# Altium PCB AGC电路.PcbDoc
Units mil, origin at the board's own origin, x right, y up, seen from the top; angles counter-clockwise.
Board outline 1016 x 1085 mil, 2 copper layers (Top Layer, Bottom Layer); 16 components, 12 nets, 42 pads, 0 vias.
Unrouted connection lines stored in the file: 8.
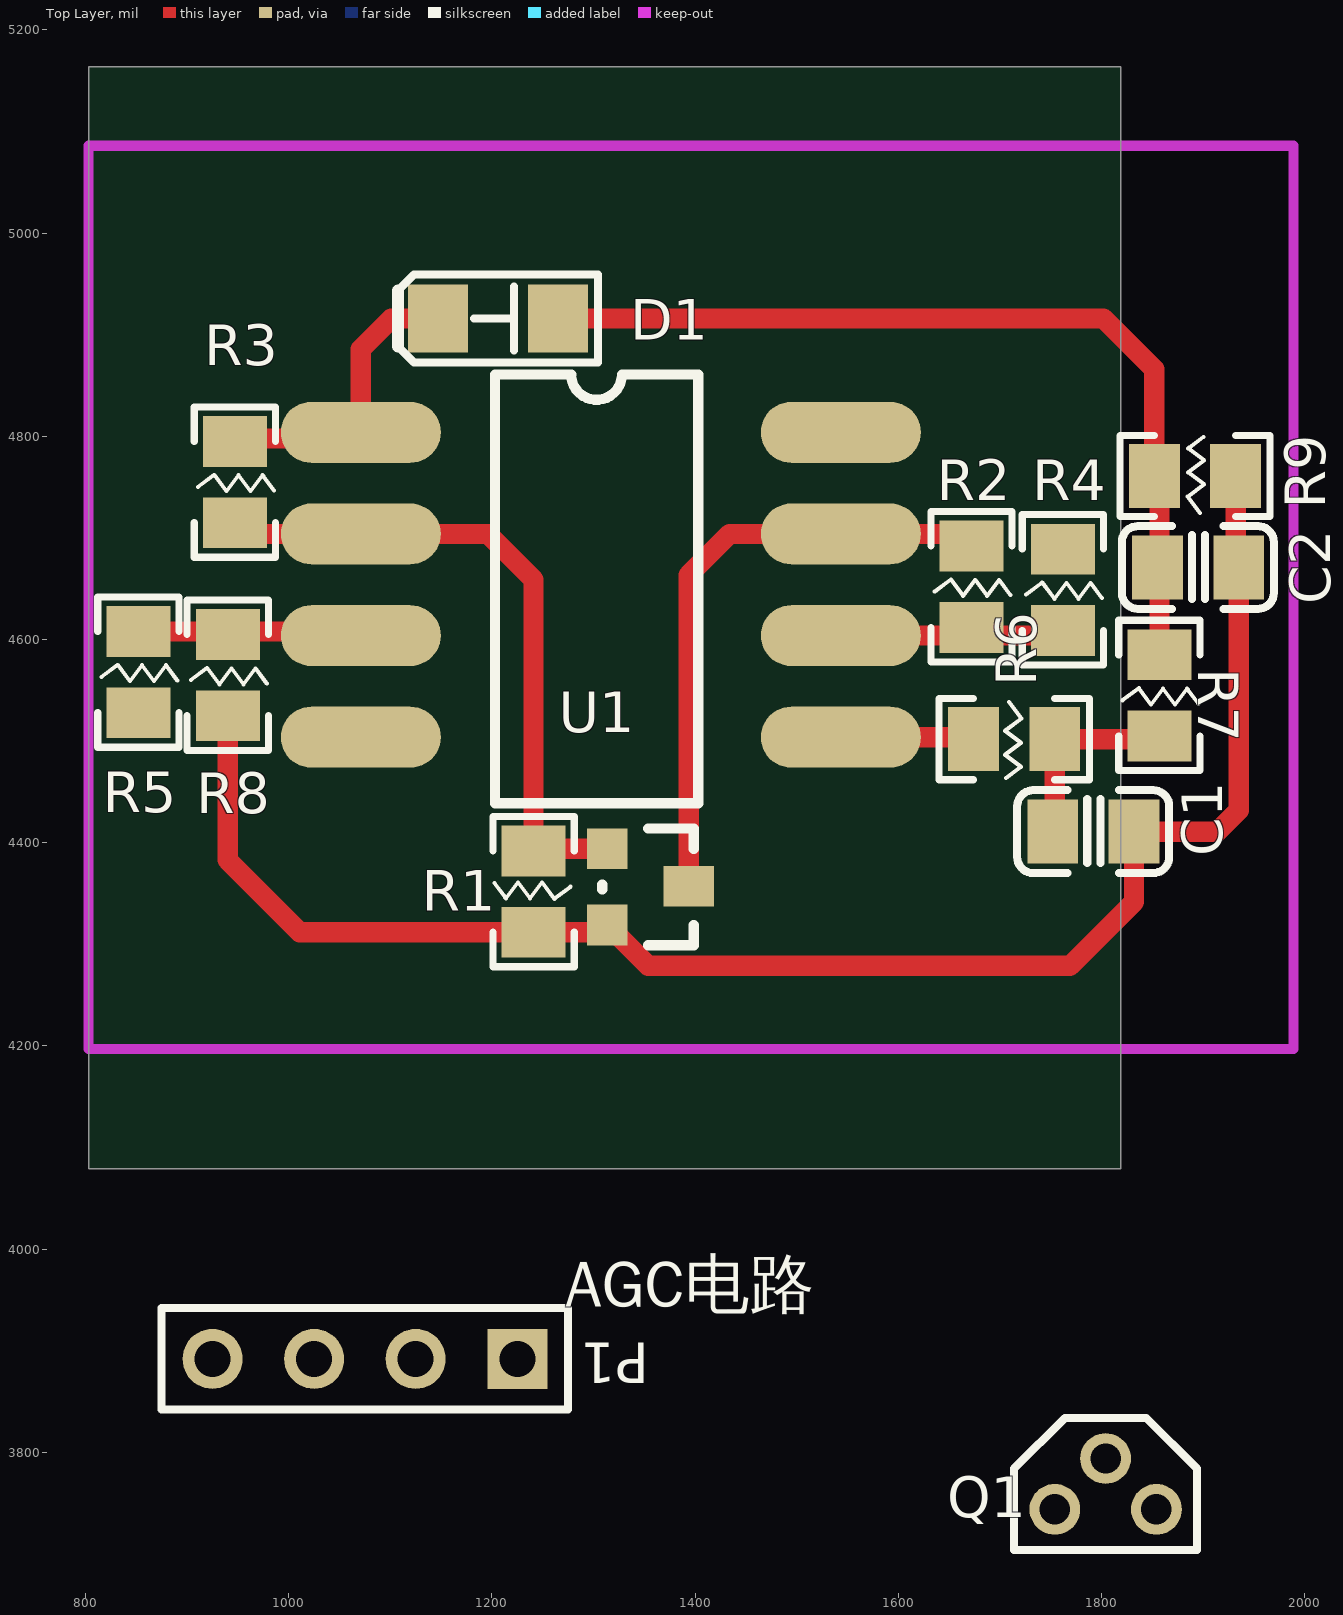
[diagram p0: Top Layer view]
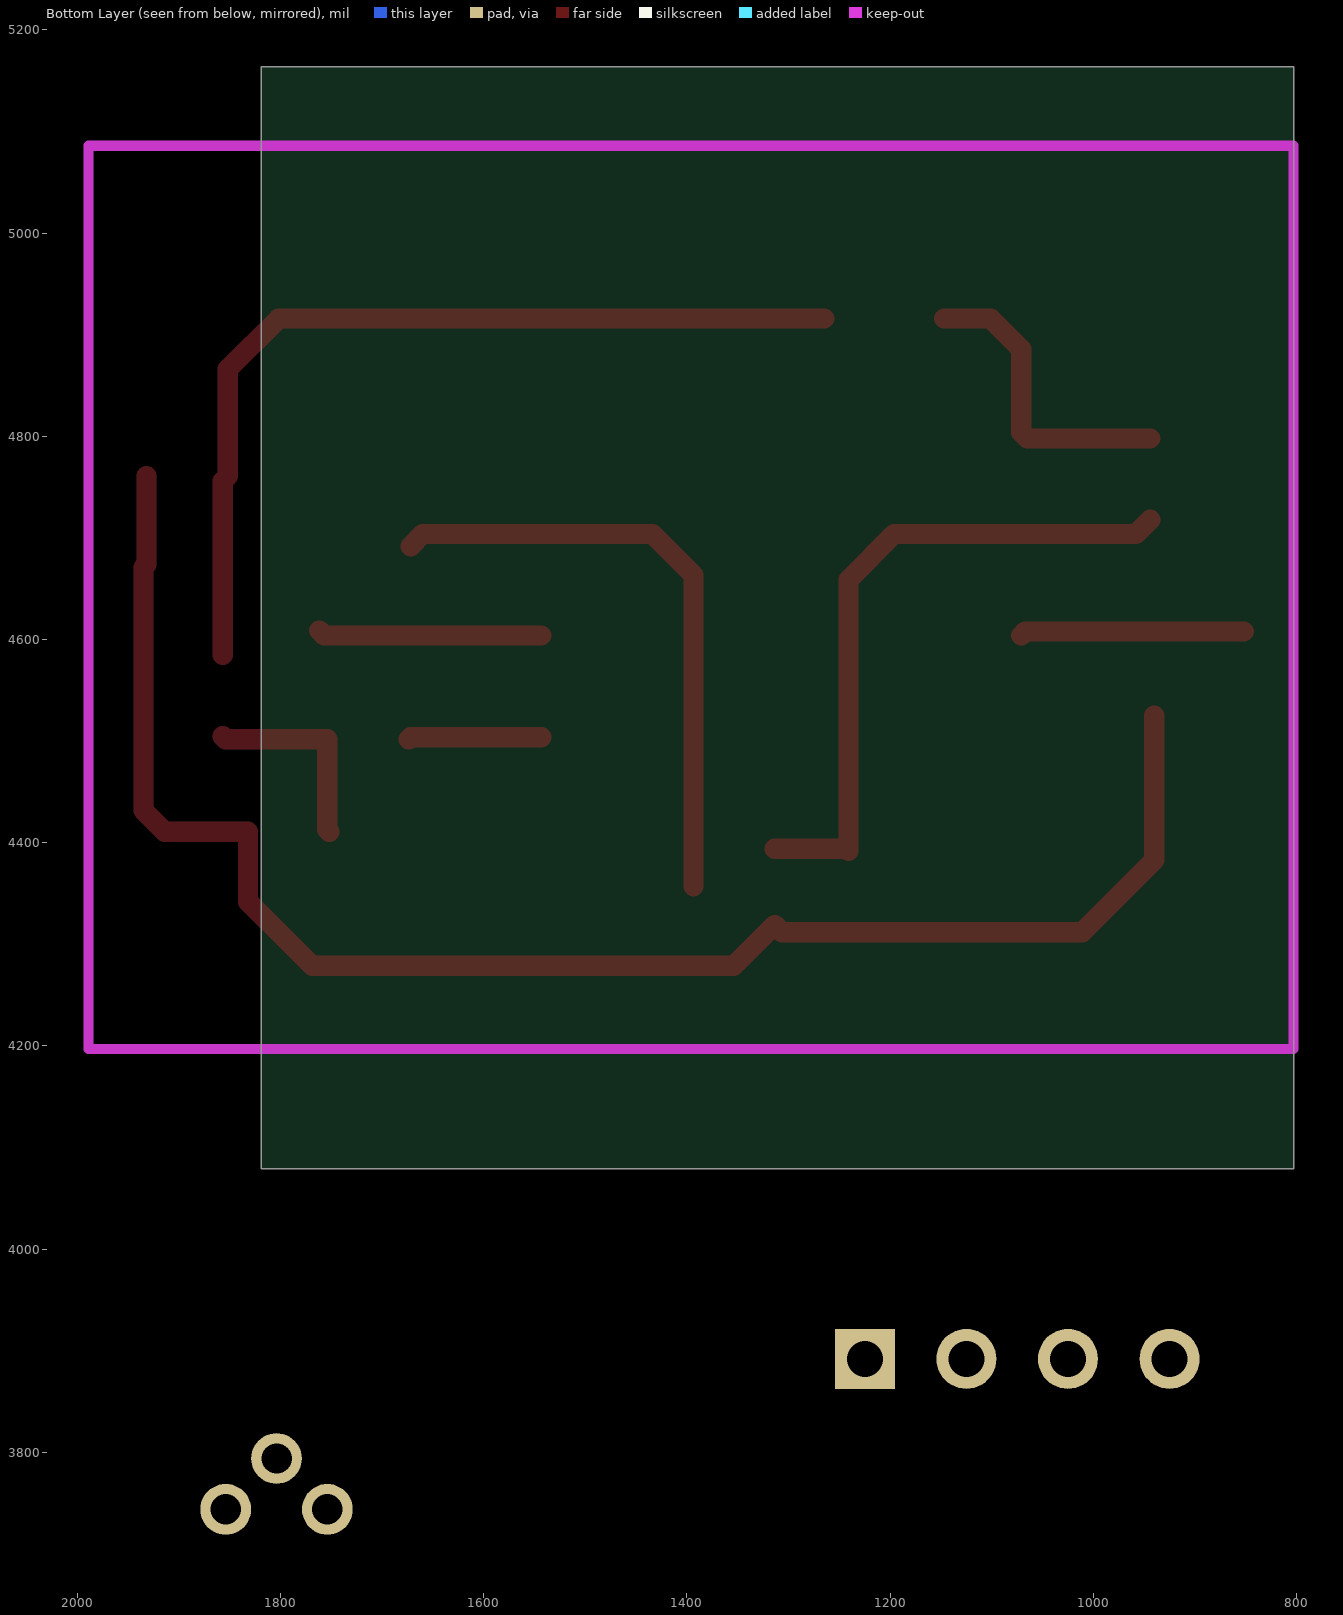
[diagram p1: Bottom Layer view, seen from below]

## Layer stack, top to bottom
Top Layer: signal copper 1.4
Dielectric: dielectric 12.6, FR-4, Dk 4.8
Bottom Layer: signal copper 1.4

## Board outline
803,4079 1819,4079 1819,5164 803,5164

## Design rules (kind name [scope] priority, off if disabled: settings)
Clearance [All] p1: gap=10
PolygonConnect [All] p1: connectstyle=Direct reliefconductorwidth=10 reliefentries=4 polygonreliefangle="90 Angle" airgapwidth=10
RoutingVias [All] p1: holewidth=10 width=20 viastyle="Through Hole" minholewidth=10 minwidth=20 maxholewidth=10 maxwidth=20
SilkToSilkClearance [All] p1: silktosilkclearance=0
SilkscreenOverComponentPads SilkToSolderMaskClearance [IsPad] p1: minsilkscreentomaskgap=10
SolderMaskExpansion [All] p1: expansion=4
Width [All] p1: maxlimit=100 minlimit=10 preferedwidth=20
26 further rules are at their usual default settings.

## Classes and differential pairs
component class AGC电路: C1 C2 D1 P1 Q1 R1 R2 R3 R4 R5 R6 R7 R8 R9 U1

## Components (designator, comment, footprint, x,y, rotation, side; value= is the part's Value field where it differs from the comment)
C1 "470n" MY0805C 1832,4411 r180 top
C2 "470n" MY0805C 1935,4671 r180 top
D1 "1N4148" D-1206-4148 1206,4916 r0 top
P1 "Header 4H" HDR1X4 1225,3892 r180 top
Q1 "2N4117" "TO92 B" 1754,3744 r0 top
R1 "500k" MY0805R 1241,4392 r270 top
R2 "200k" MY0805R 1672,4612 r90 top
R3 "420k" MY0805R 947,4715 r90 top
R4 "1k" MY0805R 1762,4609 r90 top
R5 "" MY0805R 852,4528 r90 top
R6 "1.3k" MY0805R 1674,4502 r0 top
R7 "200k" MY0805R 1857,4505 r90 top
R8 "" MY0805R 940,4525 r90 top
R9 "200k" MY0805R 1932,4761 r180 top
U1 "LF412" SMDDIP8 1071,4804 r0 top
? "" SOT23 1313,4399 r270 top

## Footprints (in the part's own frame and the unit in brackets; to place one, negate y for a bottom-side part, rotate by r counter-clockwise, add the part's x,y. Pads: shape width x height; smd on the part's side, far side on the other; paste and mask are expansions set on the pad)
D-1206-4148 [mm] "1N"
  rect 1.5x1.7 smd: 1(1.5,0) 2(-1.5,0)
  silkscreen extent -2.5,-1.1 2.5,1.1, body extent -1.75,-0.73 1.75,0.73, height 1.43
HDR1X4 [mm] "Connector; Header; 4 Posit"
  rect 1.5x1.5 hole 0.9: 1(0,0)
  round 1.5 hole 0.9: 2(2.54,0) 3(5.08,0) 4(7.62,0)
  silkscreen extent -1.27,-1.27 8.89,1.27
MY0805C [mil]
  rect 50x63 smd: 1(0,0) 2(80,0)
  silkscreen extent -35,-41 115,41, body extent 0,-25 79,25, height 30
MY0805R [mil]
  rect 50x63 smd: 1(0,0) 2(80,0)
  silkscreen extent -34,-40 114,40, body extent -3,-29 83,29, height 57
SMDDIP8 [mm]
  oval 4x1.524 smd: 1(0,0) 2(0,-2.54) 3(0,-5.08) 4(0,-7.62) 5(12,-7.62) 6(12,-5.08) 7(12,-2.54) 8(12,0)
  silkscreen extent 3.35,-9.27 8.43,1.45
SOT23 [mil]
  rect 40x40 smd: 1(4.88,0.63) 3(79.88,0.63)
  rect 40x50 smd: 2(41.88,80.63)
  silkscreen extent -15,-4 100,86
"TO92 B" [mil] "7805/7809/LP2950µçÔ´Ð"
  round 50 hole 30: 1(0,0) 2(50,50) 3(100,0)
  silkscreen extent -40,-40 140,90, body extent -39,-38 139,96, height 269

## Part data
C1 C2: library part Cap, "Capaci"
D1: library part "Diode 1N4001", "1 Amp General Purpose Rectifier"
P1: "Header, 4-Pin, Right Angle"
Q1: library part JFET-N, "N-Channel JFET"
R1 R2 R3 R4 R5 R6 R7 R8 R9: library part Res1, "Resis"
U1: library part LF

## Nets (pads, with @x,y where several pads share a name; then routed paths per layer and width w, separated by ;. In a path a pad name is that pad's centre, name@x,y a point inside that pad or via, vN(x,y) a via of type N, cw(c..) or ccw(c..) an arc to the next point about the centre after c; other vN are vias at no path point)
GND: ?.3 C1.1 C2.1 Q1.2 R1.2 R4.2 R8.1 R9.1 | length 1620
  Top Layer w20: R8.1 940,4383 1011,4312 R1.2 1306.51,4312 ?.3 1353.75,4279 1769,4279 1832,4342 C1.1 1914,4411 1935,4432 C2.1 1932,4674 R9.1
NetC1_2: C1.2 R6.2 R7.1 | length 196.1
  Top Layer w20: C1.2 1754,4413 R6.2 1854,4502 R7.1
NetC2_2: C2.2 D1.1 R7.2 R9.2 | length 890.7
  Top Layer w20: D1.1 1802,4916 1852,4866 R9.2 1857,4756 R7.2
NetQ1_1: ?.1 Q1.1 R1.1 R3.1 U1.2 | length 661.9
  Top Layer w20: R3.1@944,4718 958,4704 U1.2 1196,4704 1241,4659 R1.1 1243.12,4394.12 ?.1
NetQ1_2: ?.2 Q1.3 R2.2 U1.7 | length 606.6
  Top Layer w20: ?.2 1393.63,4663.63 1434,4704 U1.7 1660,4704 R2.2
NetR2_1: R2.1 R4.1 U1.6 | length 220.6
  Top Layer w20: U1.6 1757,4604 R4.1
NetR5_2: R5.2 R8.2 U1.3 | length 220.7
  Top Layer w20: R5.2 1067,4608 U1.3
NetR6_1: R6.1 U1.5 | length 131.4
  Top Layer w20: U1.5 1672,4504 R6.1
V+: P1.2 U1.8
V-: P1.1 U1.4
VIN: P1.4 R5.1
VOUT: D1.2 P1.3 R3.2 U1.1 | length 299.8
  Top Layer w20: R3.2@944,4798 1065,4798 U1.1 1071,4885.94 1101.06,4916 D1.2

## Keep-outs
Keep-Out Layer:
  lines w10: 803,4197 1989,4197 1989,5086 803,5086 803,4197

## Silkscreen, mask and mechanical layers (free items; w line width, h text height)
Top Overlay:
  text "AGC电路" at 1272,3928 h80